# Altium PCB CL-AHU-V1.1.pcbdoc (part 4 of 5)
Units mil, origin at the board's own origin, x right, y up, seen from the top; angles counter-clockwise.
Board outline 12846.15 x 9153.85 mil, 2 copper layers (TopLayer, BottomLayer); 143 components, 181 nets, 607 pads, 3157 vias.
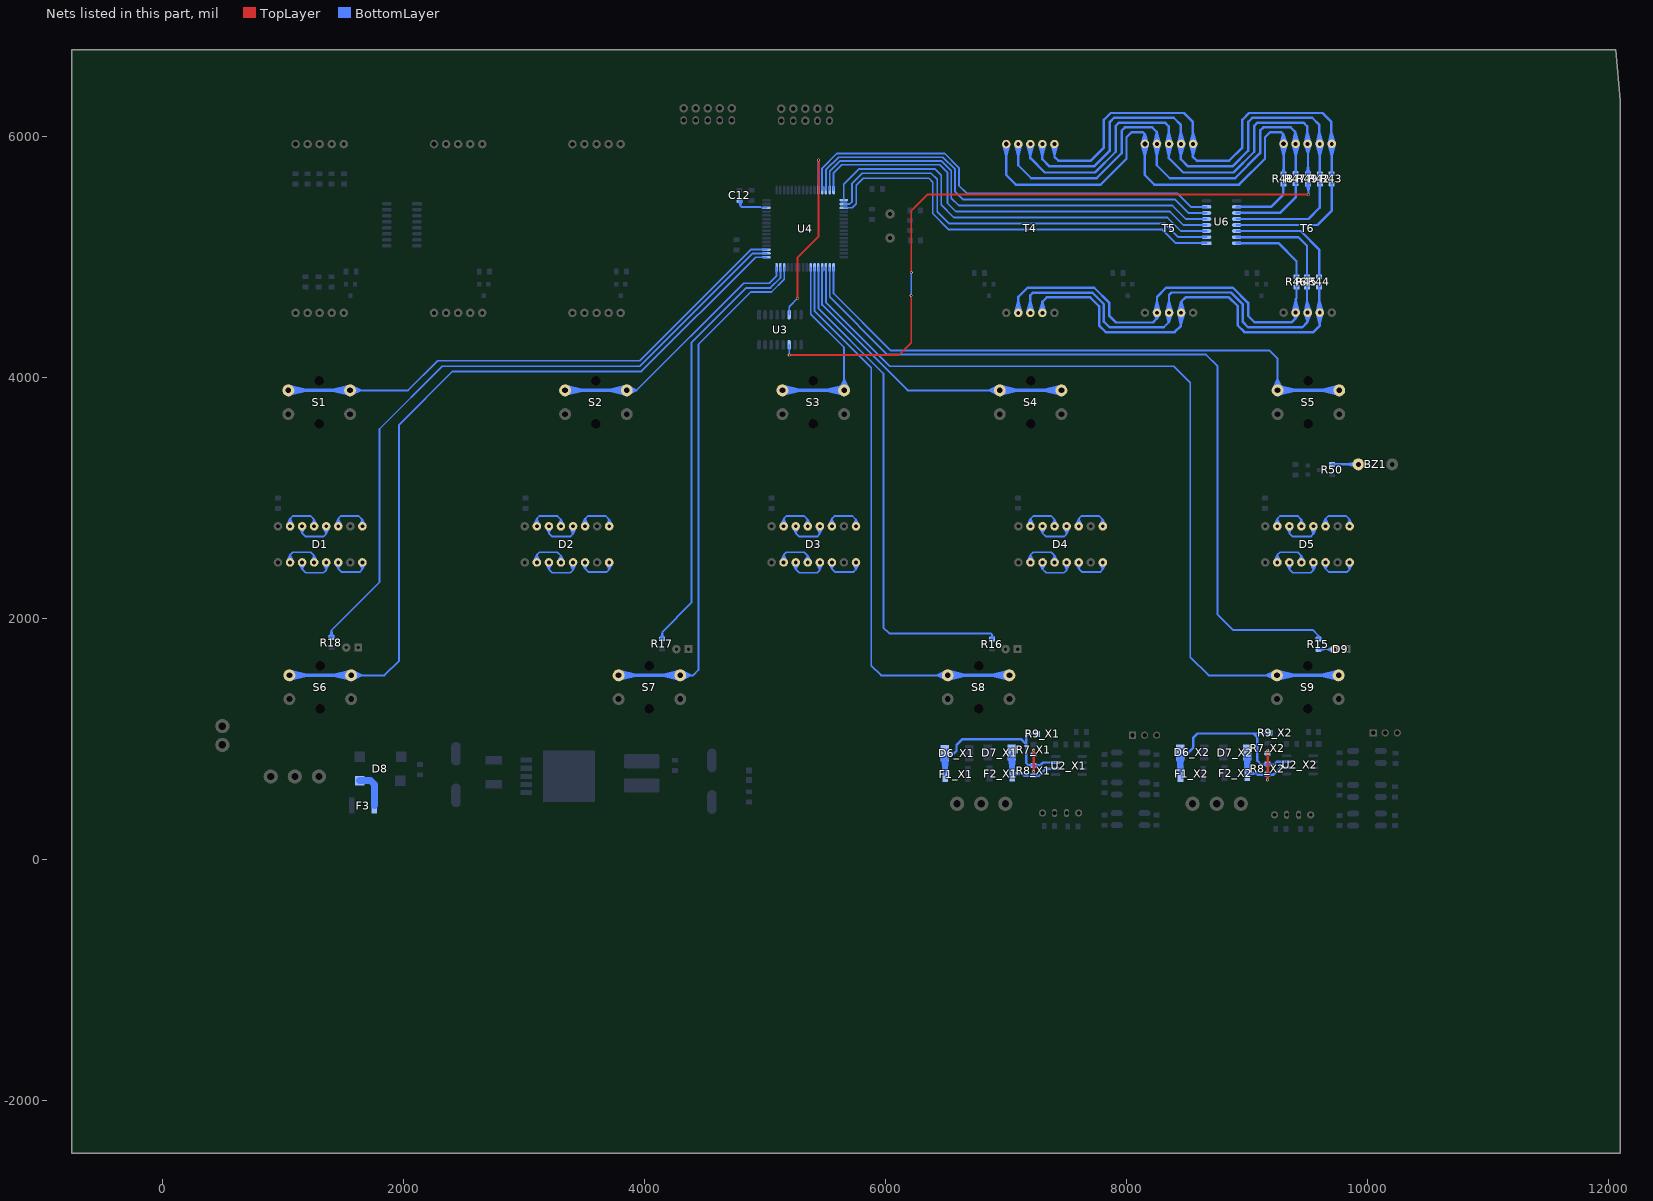
[diagram p4: the nets of this part, all layers, seen from the top]

## Via types
v1: diameter 33/33 (per signal layer), hole 23, TopLayer to BottomLayer, tented both sides, 2996 vias
v2: diameter 25, hole 15, TopLayer to BottomLayer, tented both sides, 138 vias
v3: diameter 24, hole 15, TopLayer to BottomLayer, tented both sides, 16 vias
v4: diameter 35, hole 20, TopLayer to BottomLayer, tented both sides, 3 vias
v5: diameter 30, hole 20, TopLayer to BottomLayer, tented both sides, 2 vias
v6: diameter 35, hole 25, TopLayer to BottomLayer, tented both sides, 2 vias

## Nets (pads, with @x,y where several pads share a name; then routed paths per layer and width w, separated by ;. In a path a pad name is that pad's centre, name@x,y a point inside that pad or via, vN(x,y) a via of type N, cw(c..) or ccw(c..) an arc to the next point about the centre after c; other vN are vias at no path point) (continued)
HDB1: R42.1 T4.7 T5.7 T6.7 | length 5243.4
  BottomLayer w20: T4.7@7276.05,5932.52 7301.26,5840.47 ; T4.7@7326.47,5932.52 7301.26,5840.47 ; T5.7@8426.31,5933.73 8449.69,5841.15 ; T5.7@8426.31,5939.5 8449.69,6032.08 ; T5.7@8476.71,5932.73 8449.69,5841.15 ; T5.7@8476.71,5940.5 8449.69,6032.08 ; T6.7@9576.19,5939.97 9598.11,6033.01 ; T6.7@9576.29,5934.09 9601.5,5842.05 T6.7@9626.7,5934.09 ; T6.7@9598.11,5935.91 9598.11,6094.8 9539.28,6153.62 9043.42,6153.62 9008.9,6119.1 9008.9,5881.12 8877.9,5750.12 8508.87,5750.12 8449.69,5809.31 8449.69,6094.8 8390.86,6153.62 7894.99,6153.62 7860.48,6119.1 7860.48,5881.12 7729.48,5750.12 7360.45,5750.12 7301.26,5809.31 T4.7@7301.26,5935.91 7301.26,5840.47 ; R42.1@9601.5,5689.6 T6.7@9601.5,5937.48 9598.11,6033.01 ; 9601.5,5769.12 R42.1@9601.98,5689.12 ; T6.7@9626.57,5941.75 9598.11,6033.01 ; 8449.69,5841.15 T5.7@8451.57,5936.61 8449.69,6032.08
HDB2: R43.1 T4.6 T5.6 T6.6 | length 5129.3
  BottomLayer w20: T4.6@7376.05,5932.52 7401.26,5840.47 T4.6@7426.47,5932.52 ; T4.6@7401.26,5935.91 7401.26,5829.52 7432.59,5798.19 7703.02,5798.19 7811.2,5906.36 7811.2,6137.13 7867.69,6193.62 8474.64,6193.62 8549.69,6118.58 8549.69,5829.52 8581.02,5798.19 8851.45,5798.19 8959.62,5906.36 8959.62,6137.13 9016.11,6193.62 9623.06,6193.62 9698.11,6118.58 T6.6@9698.11,5935.91 ; T5.6@8526.31,5933.73 8549.69,5841.16 ; T5.6@8526.31,5939.5 8549.69,6032.08 ; T5.6@8576.71,5932.73 8549.69,5841.16 ; T5.6@8576.71,5940.5 8549.69,6032.08 ; T6.6@9676.19,5939.97 9698.11,6033.01 ; T6.6@9676.29,5934.09 9701.5,5842.05 T6.6@9726.7,5934.09 ; R43.1@9700.51,5689.64 9701.5,5769.66 ; R43.1@9701.5,5690.63 T6.6@9701.5,5937.48 9698.11,6033.01 ; T6.6@9726.57,5941.75 9698.11,6033.01 ; 8549.69,5841.16 T5.6@8551.57,5936.61 8549.69,6032.08
HDB3: R44.1 T4.4 T5.4 T6.4 | length 4635.8
  BottomLayer w20: T4.4@7276.07,4539.45 7301.26,4627.2 ; T4.4@7301.26,4535.91 7301.26,4627.2 ; T4.4@7326.44,4539.45 7301.26,4627.2 ; T5.4@8426.31,4533.73 8449.69,4441.16 ; T5.4@8426.39,4540.16 8451.57,4627.91 ; T5.4@8449.69,4535.91 8449.69,4427.06 8398.26,4375.64 7826.29,4375.64 7771.34,4430.6 7771.34,4590.45 7698.22,4663.58 7337.64,4663.58 7301.26,4627.2 ; T5.4@8476.71,4532.73 8449.69,4441.16 ; T5.4@8476.76,4540.16 8451.57,4627.91 ; T6.4@9576.15,4539.61 9596.79,4633.16 ; T6.4@9576.24,4534.49 9600,4442.03 ; R44.1@9596.79,4750.26 9596.79,4542.18 T6.4@9601.5,4537.48 ; T6.4@9600,4536.61 9600,4427.77 9548.58,4376.35 8976.61,4376.35 8921.65,4431.31 8921.65,4591.16 8848.53,4664.28 8487.95,4664.28 8451.57,4627.91 ; T6.4@9626.51,4542.09 9596.79,4633.16 ; T6.4@9626.65,4533.7 9600,4442.03 ; 8449.69,4441.16 T5.4@8451.57,4536.61 8451.57,4627.91 ; 9596.79,4633.16 T6.4@9601.5,4537.48 ; 9600,4442.03 T6.4@9601.5,4537.48
HDB4: R45.1 T4.3 T5.3 T6.3 | length 4563.2
  BottomLayer w20: T4.3@7176.05,4539.29 7201.26,4631.34 T4.3@7226.47,4539.29 ; T4.3@7201.26,4535.91 7201.26,4682.24 7222.59,4703.58 7714.78,4703.58 7811.34,4607.02 7811.34,4461.85 7857.54,4415.64 8307.25,4415.64 8349.69,4458.07 ; T5.3@8326.37,4540 8351.57,4632.05 T5.3@8376.78,4540 ; T5.3@8326.39,4533.1 8349.69,4458.07 ; T5.3@8349.69,4535.91 8349.69,4458.07 ; T5.3@8376.57,4531.89 8349.69,4458.07 ; T6.3@9476.13,4539.36 9495.83,4633.29 ; T6.3@9476.32,4533.85 9500,4458.78 ; R45.1@9495.83,4750.26 9495.83,4543.15 T6.3@9501.5,4537.48 ; T6.3@9500,4536.61 9500,4458.78 ; T6.3@9526.46,4542.33 9495.83,4633.29 ; T6.3@9526.51,4532.9 9500,4458.78 ; 8349.69,4458.07 T5.3@8351.57,4536.61 8351.57,4682.95 8372.91,4704.28 8865.1,4704.28 8961.65,4607.73 8961.65,4462.56 9007.86,4416.35 9457.57,4416.35 9500,4458.78 ; 9495.83,4633.29 T6.3@9501.5,4537.48 ; 9500,4458.78 T6.3@9501.5,4537.48
HDB5: R46.1 T4.2 T5.2 T6.2 | length 4191.5
  BottomLayer w20: T4.2@7076.05,4539.29 7101.26,4631.34 T4.2@7126.47,4539.29 ; T4.2@7101.26,4535.91 7101.26,4667.58 7177.25,4743.58 7731.35,4743.58 7856.86,4618.07 7856.86,4510.94 7912.16,4455.64 8217.45,4455.64 8249.69,4487.88 ; T5.2@8226.37,4540 8251.57,4632.05 T5.2@8276.78,4540 ; T5.2@8226.78,4530.94 8249.69,4487.88 ; T5.2@8249.69,4535.91 8249.69,4487.88 ; T5.2@8275.85,4529.04 8249.69,4487.88 ; T6.2@9376.29,4540.87 9401.5,4632.91 T6.2@9426.7,4540.87 ; T6.2@9376.75,4531.62 9400,4488.59 ; T6.2@9400,4536.61 9400,4488.59 ; R46.1@9409.12,4750.26 9409.12,4656.26 9401.5,4648.64 T6.2@9401.5,4537.48 9400,4488.59 ; T6.2@9425.84,4530.12 9400,4488.59 ; 8249.69,4487.88 T5.2@8251.57,4536.61 8251.57,4668.29 8327.57,4744.28 8881.67,4744.28 9007.18,4618.78 9007.18,4511.65 9062.47,4456.35 9367.76,4456.35 9400,4488.59
HDB6: R47.1 T4.9 T5.9 T6.9 | length 5098.9
  BottomLayer w20: T4.9@7076.05,5932.52 7101.26,5840.47 T4.9@7126.47,5932.52 ; T4.9@7101.26,5935.91 7101.26,5760.53 7209.04,5652.75 7751.09,5652.75 7959.03,5860.69 7959.03,6046.99 7985.67,6073.62 8212.45,6073.62 8249.69,6036.38 8249.69,5760.53 8357.47,5652.75 8899.52,5652.75 9107.46,5860.69 9107.46,6046.99 9134.09,6073.62 9360.87,6073.62 9398.11,6036.38 T6.9@9398.11,5935.91 ; T5.9@8226.31,5933.73 8249.69,5841.15 ; T5.9@8226.31,5939.5 8249.69,6032.07 ; T5.9@8276.71,5932.73 8249.69,5841.15 ; T5.9@8276.71,5940.5 8249.69,6032.07 ; T6.9@9376.19,5939.97 9398.11,6032.98 ; T6.9@9376.29,5934.09 9401.5,5842.05 T6.9@9426.7,5934.09 ; R47.1@9401,5690.89 9401.5,5770.89 ; R47.1@9401.5,5695.44 T6.9@9401.5,5937.48 9398.11,6032.98 ; T6.9@9426.57,5941.76 9398.11,6032.98 ; 8249.69,5841.15 T5.9@8251.57,5936.61 8249.69,6032.07
HDB7: R48.1 T4.10 T5.10 T6.10 | length 5105.8
  BottomLayer w20: T4.10@6976.05,5932.52 7001.26,5840.47 T4.10@7026.47,5932.52 ; T4.10@7001.26,5935.91 7001.26,5679.04 7080.43,5599.87 7784.75,5599.87 7999.03,5814.15 7999.03,5992.04 8040.62,6033.62 8134.51,6033.62 8149.69,6018.45 ; T5.10@8126.31,5933.73 8149.69,5841.14 ; T5.10@8126.37,5939.98 8149.69,6018.45 ; T5.10@8176.6,5941.14 8149.69,6018.45 ; T5.10@8176.71,5932.73 8149.69,5841.14 ; T6.10@9276.23,5940.42 9298.11,6018.45 ; T6.10@9276.29,5934.09 9301.5,5842.05 T6.10@9326.7,5934.09 ; T6.10@9298.11,5935.91 9298.11,6018.45 ; R48.1@9300.39,5689.12 9301.5,5769.14 ; R48.1@9301.5,5690.22 T6.10@9301.5,5937.48 9298.11,6018.45 ; T6.10@9326.43,5942.52 9298.11,6018.45 ; 8149.69,5841.14 T5.10@8151.57,5936.61 8149.69,6018.45 ; 8149.69,6018.45 8149.69,5679.04 8228.85,5599.87 8933.18,5599.87 9147.46,5814.15 9147.46,5992.04 9189.04,6033.62 9282.94,6033.62 9298.11,6018.45
HDB8: R49.1 T4.8 T5.8 T6.8 | length 5371.8
  BottomLayer w15: T6.8@9474.12,5931.92 9503.61,5857 ; T6.8@9488.64,5936.1 9503.61,5857 ; R49.1@9491.16,5690.32 9503.61,5754.12 R49.1@9516.05,5690.32 ; T6.8@9501.5,5937.48 9503.61,5857 ; R49.1@9503.61,5689.12 T6.8@9503.61,5935.37 ; T6.8@9514.41,5936.78 9503.61,5857 ; T6.8@9529.12,5933.36 9503.61,5857
  BottomLayer w20: T4.8@7176.05,5932.52 7201.26,5840.47 T4.8@7226.47,5932.52 ; T4.8@7201.26,5935.91 7201.26,5819.19 7320.81,5699.63 7737.88,5699.63 7909.75,5871.51 7909.75,6086.65 7936.73,6113.62 8317.88,6113.62 8349.69,6081.82 8349.69,5819.19 8469.24,5699.63 8886.3,5699.63 9058.18,5871.51 9058.18,6086.65 9085.15,6113.62 9466.3,6113.62 9498.11,6081.82 T6.8@9498.11,5935.91 ; T5.8@8326.31,5933.73 8349.69,5841.16 ; T5.8@8326.31,5939.5 8349.69,6032.08 ; T5.8@8376.71,5932.73 8349.69,5841.16 ; T5.8@8376.71,5940.5 8349.69,6032.08 ; T6.8@9476.19,5939.97 9498.11,6033 ; T6.8@9501.5,5937.48 9498.11,6033 ; T6.8@9526.57,5941.75 9498.11,6033 ; 8349.69,5841.16 T5.8@8351.57,5936.61 8349.69,6032.08
HDP_B1: R42.2 U6.12 | length 999
  BottomLayer w20: U6.12@8912.23,5314.33 9507.27,5314.33 9601.98,5409.04 R42.2@9601.98,5604.12 ; U6.12@8937.23,5314.33 9012.23,5314.33
HDP_B2: R43.2 U6.13 | length 1134.7
  BottomLayer w20: U6.13@8912.23,5264.33 9582.9,5264.33 9700.51,5381.94 R43.2@9700.51,5604.64 ; U6.13@8937.23,5264.33 9012.23,5264.33
HDP_B3: R44.2 U6.14 | length 1049
  BottomLayer w20: U6.14@8912.23,5214.33 9443.86,5214.33 9596.79,5061.4 R44.2@9596.79,4835.26 ; U6.14@8937.23,5214.33 9012.23,5214.33
HDP_B4: R45.2 U6.15 | length 945.1
  BottomLayer w20: U6.15@8912.23,5164.33 9423.15,5164.33 9495.83,5091.66 R45.2@9495.83,4835.26 ; U6.15@8937.23,5164.33 9012.23,5164.33
HDP_B5: R46.2 U6.16 | length 762.4
  BottomLayer w20: U6.16@8912.23,5114.34 9258.03,5114.34 9409.12,4963.24 R46.2@9409.12,4835.26 ; U6.16@8937.23,5114.34 9012.23,5114.34
HDP_B6: R47.2 U6.11 | length 729.4
  BottomLayer w20: U6.11@8912.23,5364.34 9271.42,5364.34 9401,5493.91 R47.2@9401,5605.89 ; U6.11@8937.23,5364.34 9012.23,5364.34
HDP_B7: R48.2 U6.10 | length 673.3
  BottomLayer w20: U6.10@8912.23,5414.33 9198.52,5414.33 9300.39,5516.2 R48.2@9300.39,5604.12 9300.39,5524.12 ; U6.10@8937.23,5414.33 9012.23,5414.33
HDS2003_INT1: U4.19 U6.1 | length 3634.1
  BottomLayer w15: U4.19@5653.3,5406.82 5722.46,5406.82 5757.57,5441.94 5757.57,5593.38 5815.87,5651.68 6360.36,5651.68 6392.19,5619.84 6392.19,5359.63 6525.51,5226.3 8296.37,5226.3 8408.33,5114.34 U6.1@8662.23,5114.34 ; 8577.23,5114.34 U6.1@8637.23,5114.34
HDS2003_INT2: U4.18 U6.2 | length 3639
  BottomLayer w15: U4.18@5653.3,5438.32 5702.27,5438.32 5722.73,5458.77 5722.73,5610.22 5806.26,5693.75 6377.17,5693.75 6428.26,5642.67 6428.26,5375.84 6527.8,5276.3 8317.08,5276.3 8429.05,5164.33 U6.2@8662.23,5164.33 ; 8577.23,5164.33 U6.2@8637.23,5164.33
HDS2003_INT3: U4.17 U6.3 | length 3610.8
  BottomLayer w15: U4.17@5653.3,5469.82 5653.3,5602.14 5780.36,5729.2 6409.03,5729.2 6461.3,5676.93 6461.3,5431.74 6566.74,5326.3 8337.79,5326.3 8449.76,5214.33 U6.3@8662.23,5214.33 ; 8577.23,5214.33 U6.3@8637.23,5214.33
HDS2003_INT4: U4.16 U6.4 | length 3679.1
  BottomLayer w15: U4.16@5568.65,5554.46 5568.65,5696.32 5636.4,5764.06 6449.89,5764.06 6513.59,5700.36 6513.59,5446.76 6584.05,5376.3 8358.5,5376.3 8470.47,5264.33 U6.4@8662.23,5264.33 ; 8577.23,5264.33 U6.4@8637.23,5264.33
HDS2003_INT5: U4.15 U6.5 | length 3707.1
  BottomLayer w15: U4.15@5537.16,5554.46 5537.16,5709.36 5623.36,5795.56 6462.94,5795.56 6545.09,5713.41 6545.09,5487.98 6606.76,5426.3 8379.21,5426.3 8491.18,5314.33 U6.5@8662.23,5314.33 ; 8577.23,5314.33 U6.5@8637.23,5314.33
HDS2003_INT6: U4.14 U6.6 | length 3728.4
  BottomLayer w15: U4.14@5505.66,5554.46 5505.66,5722.41 5610.31,5827.06 6475.98,5827.06 6576.58,5726.46 6576.58,5540.61 6640.9,5476.3 8399.92,5476.3 8511.89,5364.34 U6.6@8662.23,5364.34 ; 8577.23,5364.34 U6.6@8637.23,5364.34
HDS2003_INT7: U4.13 U6.7 | length 3750.3
  BottomLayer w15: U4.13@5474.17,5554.46 5474.17,5735.46 5597.26,5858.55 6489.03,5858.55 6608.08,5739.5 6608.08,5592.19 6673.97,5526.3 8420.63,5526.3 8532.6,5414.33 U6.7@8662.23,5414.33 ; 8577.23,5414.33 U6.7@8637.23,5414.33
HDS2003_INT8: U3.6 U4.12 | length 1633.6
  TopLayer w15: v2(5270.56,4654.71) 5270.55,4995.13 5442.68,5167.25 v2(5442.68,5803.82)
  BottomLayer w15: U3.6@5200.55,4520.7 5200.55,4586.2 5269.05,4654.7 v2(5270.56,4654.71) ; U4.12@5442.67,5554.46 v2(5442.68,5803.82)
HDS2003_OUT8: R49.2 U3.11 | length 6218.3
  TopLayer w15: v2(5200.56,4186.71) 6112.56,4186.71 6212.55,4286.7 v2(6212.55,4680.13) ; v2(6213.7,4869.53) 6213.69,5383.84 6346.55,5516.7 v2@9510.55,5516.7 ; v2(6213.7,4869.53) 6213.69,4927.03 ; 9451.06,5516.7 v2(9508.56,5516.71)
  BottomLayer w15: U3.11@5200.55,4245.7 v2(5200.56,4186.71) ; U3.11@5200.55,4270.7 v2(5200.56,4186.71) ; v2(6212.55,4680.13) v2@6212.55,4868.38 ; 6212.55,4811.98 v2(6213.7,4869.53) ; R49.2@9491.29,5601.99 9508.56,5538.64 ; v2(9508.56,5516.71) 9508.56,5599.16 R49.2@9503.61,5604.12 9508.56,5538.64 ; R49.2@9516.1,5603.87 9508.56,5538.64 ; v2(5200.56,4186.71) 5200.55,4244.21 v2(5200.56,4186.71)
KEY1: S5.2 U4.33 | length 6159.7
  BottomLayer w15: U4.33@5568.65,4912.73 5568.65,4696.07 6040.75,4223.97 9183.05,4223.97 9251.81,4155.21 S5.2@9251.81,3892.52 ; S5.2@9211.13,3901.75 9251.81,3986.73 ; S5.2@9225.37,3896.31 9251.81,3986.73 ; S5.2@9240.12,3893.25 9251.81,3986.73 ; S5.2@9263.5,3893.25 9251.81,3986.73 ; S5.2@9278.25,3896.31 9251.81,3986.73 ; S5.2@9292.49,3901.75 9251.81,3986.73
  BottomLayer w30: S5.2@9251.81,3892.52 S5.2@9763.62,3892.52 9624.41,3892.52 ; S5.2@9256.01,3858.57 9391.02,3892.52 S5.2@9256.01,3926.47 ; S5.2@9759.42,3858.57 9624.41,3892.52 ; S5.2@9759.42,3926.47 9624.41,3892.52
KEY2: S1.2 U4.51 | length 5710
  BottomLayer w15: S1.2@1558.5,3892.52 2038.66,3892.52 2285.21,4139.06 3961.31,4139.06 4882.61,5060.37 U4.51@5011.57,5060.37 ; S1.2@1559.23,3880.83 1652.72,3892.52 ; S1.2@1559.23,3904.21 1652.72,3892.52 ; S1.2@1562.29,3866.08 1652.72,3892.52 ; S1.2@1562.29,3918.96 1652.72,3892.52 ; S1.2@1567.74,3851.84 1652.72,3892.52 ; S1.2@1567.74,3933.2 1652.72,3892.52
  BottomLayer w30: S1.2@1046.69,3892.52 S1.2@1558.5,3892.52 1419.29,3892.52 ; S1.2@1050.9,3858.57 1185.91,3892.52 S1.2@1050.9,3926.47 ; S1.2@1554.3,3858.57 1419.29,3892.52 ; S1.2@1554.3,3926.47 1419.29,3892.52
KEY3: S2.2 U4.48 | length 3396.4
  BottomLayer w15: S2.2@3853.78,3892.52 3934.11,3892.52 ; S2.2@3854.63,3880.84 3934.11,3892.52 ; S2.2@3854.63,3904.2 3934.11,3892.52 ; S2.2@3858.22,3866.18 3934.11,3892.52 ; S2.2@3858.22,3918.86 3934.11,3892.52 ; S2.2@3864.61,3852.24 3934.11,3892.52 ; S2.2@3864.61,3932.8 3934.11,3892.52 ; U4.48@5096.21,4912.73 5096.21,4841.88 5035.83,4781.49 4823.09,4781.49 3934.11,3892.52
  BottomLayer w30: S2.2@3341.97,3892.52 S2.2@3853.78,3892.52 3714.57,3892.52 ; S2.2@3346.17,3858.57 3481.18,3892.52 S2.2@3346.17,3926.47 ; S2.2@3849.58,3858.57 3714.57,3892.52 ; S2.2@3849.58,3926.47 3714.57,3892.52
KEY4: S6.2 U4.49 | length 7800.5
  BottomLayer w15: S6.2@1567.17,1528.74 1843.17,1528.74 1965.51,1651.08 1965.51,3607.81 2407.82,4050.12 3975.13,4050.12 4922.38,4997.38 U4.49@5011.57,4997.38 ; S6.2@1567.89,1517.05 1661.38,1528.74 ; S6.2@1567.89,1540.43 1661.38,1528.74 ; S6.2@1570.95,1502.3 1661.38,1528.74 ; S6.2@1570.95,1555.18 1661.38,1528.74 ; S6.2@1576.4,1488.06 1661.38,1528.74 ; S6.2@1576.4,1569.42 1661.38,1528.74
  BottomLayer w30: S6.2@1055.35,1528.74 S6.2@1567.17,1528.74 1427.95,1528.74 ; S6.2@1059.56,1494.79 1194.57,1528.74 S6.2@1059.56,1562.69 ; S6.2@1562.96,1494.79 1427.95,1528.74 ; S6.2@1562.96,1562.69 1427.95,1528.74
KEY5: S7.2 U4.46 | length 5676.1
  BottomLayer w15: S7.2@4297.48,1528.74 4403.48,1528.74 4448.61,1573.88 4448.61,4273.76 4883.63,4708.78 5054.21,4708.78 5159.2,4813.77 U4.46@5159.2,4912.73 ; S7.2@4298.21,1517.05 4391.69,1528.74 ; S7.2@4298.21,1540.43 4391.69,1528.74 ; S7.2@4301.27,1502.3 4391.69,1528.74 ; S7.2@4301.27,1555.18 4391.69,1528.74 ; S7.2@4306.71,1488.06 4391.69,1528.74 ; S7.2@4306.71,1569.42 4391.69,1528.74
  BottomLayer w30: S7.2@3785.67,1528.74 S7.2@4297.48,1528.74 4158.27,1528.74 ; S7.2@3789.87,1494.79 3924.88,1528.74 S7.2@3789.87,1562.69 ; S7.2@4293.28,1494.79 4158.27,1528.74 ; S7.2@4293.28,1562.69 4158.27,1528.74
KEY6: S3.2 U4.39 | length 2908
  BottomLayer w15: U4.39@5379.68,4912.73 5379.68,4525.38 5656.54,4248.52 S3.2@5656.54,3892.52 ; S3.2@5615.86,3901.75 5656.54,3986.73 ; S3.2@5630.09,3896.31 5656.54,3986.73 ; S3.2@5644.85,3893.25 5656.54,3986.73 ; S3.2@5668.23,3893.25 5656.54,3986.73 ; S3.2@5682.98,3896.31 5656.54,3986.73 ; S3.2@5697.21,3901.75 5656.54,3986.73
  BottomLayer w30: S3.2@5144.72,3892.52 S3.2@5656.54,3892.52 5517.32,3892.52 ; S3.2@5148.93,3858.57 5283.94,3892.52 S3.2@5148.93,3926.47 ; S3.2@5652.33,3858.57 5517.32,3892.52 ; S3.2@5652.33,3926.47 5517.32,3892.52
KEY7: S8.2 U4.38 | length 5938.8
  BottomLayer w15: U4.38@5411.17,4912.73 5411.17,4549.31 5881.38,4079.11 5881.38,1610.22 5962.86,1528.74 S8.2@6515.98,1528.74 ; S8.2@6506.75,1488.06 6421.77,1528.74 ; S8.2@6506.75,1569.42 6421.77,1528.74 ; S8.2@6512.2,1502.3 6421.77,1528.74 ; S8.2@6512.2,1555.18 6421.77,1528.74 ; S8.2@6515.26,1517.05 6421.77,1528.74 ; S8.2@6515.26,1540.43 6421.77,1528.74
  BottomLayer w30: S8.2@6515.98,1528.74 S8.2@7027.8,1528.74 6888.58,1528.74 ; S8.2@6520.19,1494.79 6655.2,1528.74 S8.2@6520.19,1562.69 ; S8.2@7023.59,1494.79 6888.58,1528.74 ; S8.2@7023.59,1562.69 6888.58,1528.74
KEY8: S9.2 U4.35 | length 8418.7
  BottomLayer w15: U4.35@5505.66,4912.73 5505.66,4622.96 6035.22,4093.39 8391,4093.39 8528.01,3956.37 8528.01,1679.93 8679.2,1528.74 S9.2@9246.3,1528.74 ; S9.2@9237.06,1488.06 9152.09,1528.74 ; S9.2@9237.06,1569.42 9152.09,1528.74 ; S9.2@9242.51,1502.3 9152.09,1528.74 ; S9.2@9242.51,1555.18 9152.09,1528.74 ; S9.2@9245.57,1517.05 9152.09,1528.74 ; S9.2@9245.57,1540.43 9152.09,1528.74
  BottomLayer w30: S9.2@9246.3,1528.74 S9.2@9758.11,1528.74 9618.9,1528.74 ; S9.2@9250.5,1494.79 9385.51,1528.74 S9.2@9250.5,1562.69 ; S9.2@9753.91,1494.79 9618.9,1528.74 ; S9.2@9753.91,1562.69 9618.9,1528.74
KEY9: S4.2 U4.36 | length 3851.4
  BottomLayer w15: U4.36@5474.17,4912.73 5474.17,4601.4 6183.05,3892.52 S4.2@6947.48,3892.52 ; S4.2@6938.25,3851.84 6853.27,3892.52 ; S4.2@6938.25,3933.2 6853.27,3892.52 ; S4.2@6943.69,3866.08 6853.27,3892.52 ; S4.2@6943.69,3918.96 6853.27,3892.52 ; S4.2@6946.75,3880.83 6853.27,3892.52 ; S4.2@6946.75,3904.21 6853.27,3892.52
  BottomLayer w30: S4.2@6947.48,3892.52 S4.2@7459.29,3892.52 7320.08,3892.52 ; S4.2@6951.68,3858.57 7086.69,3892.52 S4.2@6951.68,3926.47 ; S4.2@7455.09,3858.57 7320.08,3892.52 ; S4.2@7455.09,3926.47 7320.08,3892.52
LED1: R15.1 U4.34 | length 6756.3
  BottomLayer w15: U4.34@5537.16,4912.73 5537.16,4667.5 6015.12,4189.54 8657.82,4189.54 8753.98,4093.39 8753.98,2032.09 8880.18,1905.89 9543.05,1905.89 9591.26,1857.68 ; R15.1@9579.07,1831.87 9591.26,1857.68 ; R15.1@9591.26,1829.13 9591.26,1857.68 ; R15.1@9603.46,1831.87 9591.26,1857.68
LED2: R16.1 U4.37 | length 4241.9
  BottomLayer w15: U4.37@5442.67,4912.73 5442.67,4572.4 5982.34,4032.73 5982.34,1925.1 6030.39,1877.06 6872.91,1877.06 6884.3,1865.67 ; R16.1@6872.01,1833.2 6884.3,1865.67 ; R16.1@6884.3,1830.95 6884.3,1865.67 ; R16.1@6896.6,1833.2 6884.3,1865.67
LED3: R17.1 U4.47 | length 3716.4
  BottomLayer w15: R17.1@4134.88,1833.26 4147.3,1887.97 ; R17.1@4147.3,1831.86 4147.3,1887.97 ; R17.1@4159.72,1833.26 4147.3,1887.97 ; U4.47@5127.71,4912.73 5127.71,4824.7 5045.44,4742.43 4845.32,4742.43 4389.87,4286.97 4389.87,2130.53 4147.3,1887.97
LED4: R18.1 U4.50 | length 5880.9
  BottomLayer w15: R18.1@1391.95,1844.09 1404.37,1902.52 ; R18.1@1404.38,1842.79 1404.37,1902.52 ; R18.1@1404.37,1847.9 1404.37,1902.52 ; R18.1@1416.81,1844.1 1404.37,1902.52 ; U4.50@5011.57,5028.87 4898.29,5028.87 3962.81,4093.39 2323.67,4093.39 1802.63,3572.35 1802.63,2300.78 1404.37,1902.52
NetBZ1_2: BZ1.2 R50.2 | length 477.1
  BottomLayer w20: R50.2@9704.55,3278.7 BZ1.2@9922.55,3278.7 ; R50.2@9709.55,3278.7 9789.55,3278.7 ; BZ1.2@9920.42,3259.29 9833.03,3278.7 BZ1.2@9920.42,3298.11
NetC12_1: C12.1 U4.62 | length 399
  BottomLayer w15: C12.1@4782.17,5465.46 4796.37,5423.53 ; C12.1@4794.46,5467.76 4796.37,5423.53 ; C12.1@4796.37,5467.59 4796.37,5423.53 ; C12.1@4806.9,5466.53 4796.37,5423.53 ; U4.62@5011.57,5406.82 4971.96,5406.82 4965.6,5413.19 4806.72,5413.19 4796.37,5423.53
NetD1_2: D1.2 D1.4 | length 817.6
  BottomLayer w15: D1.2@1033.23,2471.37 1060.47,2528.37 ; D1.2@1047.61,2466.52 1060.47,2528.37 ; D1.2@1060.47,2465.2 1060.47,2528.37 ; D1.2@1073.34,2466.52 1060.47,2528.37 ; D1.2@1087.71,2471.37 1060.47,2528.37 ; D1.4@1233.42,2472.15 1260.47,2521.27 ; D1.4@1247.63,2466.69 1260.47,2521.27 ; D1.4@1260.47,2465.2 1260.47,2521.27 ; D1.4@1273.32,2466.69 1260.47,2521.27 ; D1.4@1287.53,2472.15 1260.47,2521.27 ; 1060.47,2528.37 1082.7,2550.6 1231.14,2550.6 1260.47,2521.27
NetD1_3: D1.3 D1.5 | length 817.6
  BottomLayer w15: D1.3@1133.42,2458.24 1160.47,2409.12 ; D1.3@1147.63,2463.71 1160.47,2409.12 ; D1.3@1160.47,2465.2 1160.47,2409.12 ; D1.3@1173.32,2463.71 1160.47,2409.12 ; D1.3@1187.53,2458.24 1160.47,2409.12 ; D1.5@1333.23,2459.02 1360.47,2402.02 ; D1.5@1347.61,2463.87 1360.47,2402.02 ; D1.5@1360.47,2465.2 1360.47,2402.02 ; D1.5@1373.34,2463.87 1360.47,2402.02 ; D1.5@1387.71,2459.02 1360.47,2402.02 ; 1160.47,2409.12 1189.8,2379.79 1338.24,2379.79 1360.47,2402.02
NetD1_6: D1.6 D1.8 | length 884.7
  BottomLayer w15: D1.6@1433.58,2457.65 1460.24,2414.34 ; D1.6@1447.64,2463.61 1460.24,2414.34 ; D1.6@1460.24,2470.42 1460.24,2414.34 ; D1.6@1460.47,2465.2 1460.24,2414.34 ; D1.6@1473.29,2463.49 1460.24,2414.34 ; D1.6@1487.3,2457.4 1460.24,2414.34 ; D1.8@1633.34,2458.58 1660.24,2407.24 ; D1.8@1647.61,2463.81 1660.24,2407.24 ; D1.8@1660.24,2470.42 1660.24,2407.24 ; D1.8@1660.47,2465.2 1660.24,2407.24 ; D1.8@1673.32,2463.7 1660.24,2407.24 ; D1.8@1687.55,2458.36 1660.24,2407.24 ; 1460.24,2414.34 1489.57,2385.01 1638.01,2385.01 1660.24,2407.24
NetD1_9: D1.9 D1.11 | length 817.6
  BottomLayer w15: D1.11@1433.23,2771.37 1460.47,2828.37 ; D1.11@1447.61,2766.52 1460.47,2828.37 ; D1.11@1460.47,2765.2 1460.47,2828.37 ; D1.11@1473.34,2766.52 1460.47,2828.37 ; D1.11@1487.71,2771.37 1460.47,2828.37 ; D1.9@1633.42,2772.15 1660.47,2821.27 ; D1.9@1647.63,2766.69 1660.47,2821.27 ; D1.9@1660.47,2765.2 1660.47,2821.27 ; D1.9@1673.32,2766.69 1660.47,2821.27 ; D1.9@1687.53,2772.15 1660.47,2821.27 ; 1460.47,2828.37 1482.7,2850.6 1631.14,2850.6 1660.47,2821.27
NetD1_12: D1.12 D1.14 | length 873.7
  BottomLayer w15: D1.14@1133.42,2758.24 1160.47,2709.12 ; D1.14@1147.63,2763.71 1160.47,2709.12 ; D1.14@1173.32,2763.71 1160.47,2709.12 ; D1.14@1187.53,2758.24 1160.47,2709.12 ; D1.12@1333.23,2759.02 1360.47,2702.02 ; D1.12@1347.61,2763.87 1360.47,2702.02 ; D1.12@1360.47,2765.2 1360.47,2702.02 ; D1.12@1373.34,2763.87 1360.47,2702.02 ; D1.12@1387.71,2759.02 1360.47,2702.02 ; 1160.47,2709.12 D1.14@1160.47,2765.2 1160.47,2709.12 ; 1160.47,2709.12 1189.8,2679.79 1338.24,2679.79 1360.47,2702.02
NetD1_13: D1.13 D1.15 | length 817.6
  BottomLayer w15: D1.15@1033.23,2771.37 1060.47,2828.37 ; D1.15@1047.61,2766.52 1060.47,2828.37 ; D1.15@1060.47,2765.2 1060.47,2828.37 ; D1.15@1073.34,2766.52 1060.47,2828.37 ; D1.15@1087.71,2771.37 1060.47,2828.37 ; D1.13@1233.42,2772.15 1260.47,2821.27 ; D1.13@1247.63,2766.69 1260.47,2821.27 ; D1.13@1260.47,2765.2 1260.47,2821.27 ; D1.13@1273.32,2766.69 1260.47,2821.27 ; D1.13@1287.53,2772.15 1260.47,2821.27 ; 1060.47,2828.37 1082.7,2850.6 1231.14,2850.6 1260.47,2821.27
NetD2_2: D2.2 D2.4 | length 936.9
  BottomLayer w15: D2.2@3080.47,2471.37 3107.72,2528.37 ; D2.2@3094.85,2466.52 3107.72,2528.37 ; D2.2@3120.58,2466.52 3107.72,2528.37 ; D2.2@3134.96,2471.37 3107.72,2528.37 ; D2.4@3280.66,2472.15 3307.72,2521.27 ; D2.4@3294.87,2466.69 3307.72,2521.27 ; D2.4@3320.56,2466.69 3307.72,2521.27 ; D2.4@3334.77,2472.15 3307.72,2521.27 ; 3107.72,2528.37 D2.2@3107.72,2465.2 3107.72,2528.37 ; 3107.72,2528.37 3129.95,2550.6 3278.38,2550.6 3307.72,2521.27 ; 3307.72,2521.27 D2.4@3307.72,2465.2 3307.72,2521.27
NetD2_3: D2.3 D2.5 | length 936.9
  BottomLayer w15: D2.3@3180.66,2458.24 3207.72,2409.12 ; D2.3@3194.87,2463.71 3207.72,2409.12 ; D2.3@3220.56,2463.71 3207.72,2409.12 ; D2.3@3234.77,2458.24 3207.72,2409.12 ; D2.5@3380.47,2459.02 3407.72,2402.02 ; D2.5@3394.85,2463.87 3407.72,2402.02 ; D2.5@3420.58,2463.87 3407.72,2402.02 ; D2.5@3434.96,2459.02 3407.72,2402.02 ; 3207.72,2409.12 D2.3@3207.72,2465.2 3207.72,2409.12 ; 3207.72,2409.12 3237.05,2379.79 3385.49,2379.79 3407.72,2402.02 ; 3407.72,2402.02 D2.5@3407.72,2465.2 3407.72,2402.02
NetD2_6: D2.6 D2.8 | length 884.7
  BottomLayer w15: D2.6@3480.82,2457.65 3507.48,2414.34 ; D2.6@3494.88,2463.61 3507.48,2414.34 ; D2.6@3507.48,2470.42 3507.48,2414.34 ; D2.6@3507.72,2465.2 3507.48,2414.34 ; D2.6@3520.54,2463.49 3507.48,2414.34 ; D2.6@3534.54,2457.4 3507.48,2414.34 ; D2.8@3680.58,2458.58 3707.48,2407.24 ; D2.8@3694.86,2463.81 3707.48,2407.24 ; D2.8@3707.48,2470.42 3707.48,2407.24 ; D2.8@3707.72,2465.2 3707.48,2407.24 ; D2.8@3720.56,2463.7 3707.48,2407.24 ; D2.8@3734.8,2458.36 3707.48,2407.24 ; 3507.48,2414.34 3536.81,2385.01 3685.25,2385.01 3707.48,2407.24
NetD2_9: D2.9 D2.11 | length 817.6
  BottomLayer w15: D2.11@3480.47,2771.37 3507.72,2828.37 ; D2.11@3494.85,2766.52 3507.72,2828.37 ; D2.11@3507.72,2765.2 3507.72,2828.37 ; D2.11@3520.58,2766.52 3507.72,2828.37 ; D2.11@3534.96,2771.37 3507.72,2828.37 ; D2.9@3680.66,2772.15 3707.72,2821.27 ; D2.9@3694.87,2766.69 3707.72,2821.27 ; D2.9@3707.72,2765.2 3707.72,2821.27 ; D2.9@3720.56,2766.69 3707.72,2821.27 ; D2.9@3734.77,2772.15 3707.72,2821.27 ; 3507.72,2828.37 3529.95,2850.6 3678.38,2850.6 3707.72,2821.27
NetD2_12: D2.12 D2.14 | length 873.7
  BottomLayer w15: D2.14@3180.66,2758.24 3207.72,2709.12 ; D2.14@3194.87,2763.71 3207.72,2709.12 ; D2.14@3220.56,2763.71 3207.72,2709.12 ; D2.14@3234.77,2758.24 3207.72,2709.12 ; D2.12@3380.47,2759.02 3407.72,2702.02 ; D2.12@3394.85,2763.87 3407.72,2702.02 ; D2.12@3407.72,2765.2 3407.72,2702.02 ; D2.12@3420.58,2763.87 3407.72,2702.02 ; D2.12@3434.96,2759.02 3407.72,2702.02 ; 3207.72,2709.12 D2.14@3207.72,2765.2 3207.72,2709.12 ; 3207.72,2709.12 3237.05,2679.79 3385.49,2679.79 3407.72,2702.02
NetD2_13: D2.13 D2.15 | length 817.6
  BottomLayer w15: D2.15@3080.47,2771.37 3107.72,2828.37 ; D2.15@3094.85,2766.52 3107.72,2828.37 ; D2.15@3107.72,2765.2 3107.72,2828.37 ; D2.15@3120.58,2766.52 3107.72,2828.37 ; D2.15@3134.96,2771.37 3107.72,2828.37 ; D2.13@3280.66,2772.15 3307.72,2821.27 ; D2.13@3294.87,2766.69 3307.72,2821.27 ; D2.13@3307.72,2765.2 3307.72,2821.27 ; D2.13@3320.56,2766.69 3307.72,2821.27 ; D2.13@3334.77,2772.15 3307.72,2821.27 ; 3107.72,2828.37 3129.95,2850.6 3278.38,2850.6 3307.72,2821.27
NetD3_2: D3.2 D3.4 | length 873.7
  BottomLayer w15: D3.2@5127.72,2471.37 5154.96,2528.37 ; D3.2@5142.1,2466.52 5154.96,2528.37 ; D3.2@5154.96,2465.2 5154.96,2528.37 ; D3.2@5167.83,2466.52 5154.96,2528.37 ; D3.2@5182.2,2471.37 5154.96,2528.37 ; D3.4@5327.91,2472.15 5354.96,2521.27 ; D3.4@5342.11,2466.69 5354.96,2521.27 ; D3.4@5367.81,2466.69 5354.96,2521.27 ; D3.4@5382.01,2472.15 5354.96,2521.27 ; 5154.96,2528.37 5177.19,2550.6 5325.63,2550.6 5354.96,2521.27 ; 5354.96,2521.27 D3.4@5354.96,2465.2 5354.96,2521.27
NetD3_3: D3.3 D3.5 | length 817.6
  BottomLayer w15: D3.3@5227.91,2458.24 5254.96,2409.12 ; D3.3@5242.11,2463.71 5254.96,2409.12 ; D3.3@5254.96,2465.2 5254.96,2409.12 ; D3.3@5267.81,2463.71 5254.96,2409.12 ; D3.3@5282.01,2458.24 5254.96,2409.12 ; D3.5@5427.72,2459.02 5454.96,2402.02 ; D3.5@5442.1,2463.87 5454.96,2402.02 ; D3.5@5454.96,2465.2 5454.96,2402.02 ; D3.5@5467.83,2463.87 5454.96,2402.02 ; D3.5@5482.2,2459.02 5454.96,2402.02 ; 5254.96,2409.12 5284.29,2379.79 5432.73,2379.79 5454.96,2402.02
NetD3_6: D3.6 D3.8 | length 884.7
  BottomLayer w15: D3.6@5528.07,2457.65 5554.73,2414.34 ; D3.6@5542.13,2463.61 5554.73,2414.34 ; D3.6@5554.73,2470.42 5554.73,2414.34 ; D3.6@5554.96,2465.2 5554.73,2414.34 ; D3.6@5567.78,2463.49 5554.73,2414.34 ; D3.6@5581.78,2457.4 5554.73,2414.34 ; D3.8@5727.82,2458.58 5754.73,2407.24 ; D3.8@5742.1,2463.81 5754.73,2407.24 ; D3.8@5754.73,2470.42 5754.73,2407.24 ; D3.8@5754.96,2465.2 5754.73,2407.24 ; D3.8@5767.81,2463.7 5754.73,2407.24 ; D3.8@5782.04,2458.36 5754.73,2407.24 ; 5554.73,2414.34 5584.06,2385.01 5732.5,2385.01 5754.73,2407.24
NetD3_9: D3.9 D3.11 | length 817.6
  BottomLayer w15: D3.11@5527.72,2771.37 5554.96,2828.37 ; D3.11@5542.1,2766.52 5554.96,2828.37 ; D3.11@5554.96,2765.2 5554.96,2828.37 ; D3.11@5567.83,2766.52 5554.96,2828.37 ; D3.11@5582.2,2771.37 5554.96,2828.37 ; D3.9@5727.91,2772.15 5754.96,2821.27 ; D3.9@5742.11,2766.69 5754.96,2821.27 ; D3.9@5754.96,2765.2 5754.96,2821.27 ; D3.9@5767.81,2766.69 5754.96,2821.27 ; D3.9@5782.01,2772.15 5754.96,2821.27 ; 5554.96,2828.37 5577.19,2850.6 5725.63,2850.6 5754.96,2821.27
NetD3_12: D3.12 D3.14 | length 873.7
  BottomLayer w15: D3.14@5227.91,2758.24 5254.96,2709.12 ; D3.14@5242.11,2763.71 5254.96,2709.12 ; D3.14@5267.81,2763.71 5254.96,2709.12 ; D3.14@5282.01,2758.24 5254.96,2709.12 ; D3.12@5427.72,2759.02 5454.96,2702.02 ; D3.12@5442.1,2763.87 5454.96,2702.02 ; D3.12@5454.96,2765.2 5454.96,2702.02 ; D3.12@5467.83,2763.87 5454.96,2702.02 ; D3.12@5482.2,2759.02 5454.96,2702.02 ; 5254.96,2709.12 D3.14@5254.96,2765.2 5254.96,2709.12 ; 5254.96,2709.12 5284.29,2679.79 5432.73,2679.79 5454.96,2702.02
NetD3_13: D3.13 D3.15 | length 873.7
  BottomLayer w15: D3.15@5127.72,2771.37 5154.96,2828.37 ; D3.15@5142.1,2766.52 5154.96,2828.37 ; D3.15@5154.96,2765.2 5154.96,2828.37 ; D3.15@5167.83,2766.52 5154.96,2828.37 ; D3.15@5182.2,2771.37 5154.96,2828.37 ; D3.13@5327.91,2772.15 5354.96,2821.27 ; D3.13@5342.11,2766.69 5354.96,2821.27 ; D3.13@5367.81,2766.69 5354.96,2821.27 ; D3.13@5382.01,2772.15 5354.96,2821.27 ; 5154.96,2828.37 5177.19,2850.6 5325.63,2850.6 5354.96,2821.27 ; 5354.96,2821.27 D3.13@5354.96,2765.2 5354.96,2821.27
NetD4_2: D4.2 D4.4 | length 936.9
  BottomLayer w15: D4.2@7174.96,2471.37 7202.2,2528.37 ; D4.2@7189.34,2466.52 7202.2,2528.37 ; D4.2@7215.07,2466.52 7202.2,2528.37 ; D4.2@7229.45,2471.37 7202.2,2528.37 ; D4.4@7375.15,2472.15 7402.2,2521.27 ; D4.4@7389.36,2466.69 7402.2,2521.27 ; D4.4@7415.05,2466.69 7402.2,2521.27 ; D4.4@7429.26,2472.15 7402.2,2521.27 ; 7202.2,2528.37 D4.2@7202.2,2465.2 7202.2,2528.37 ; 7202.2,2528.37 7224.43,2550.6 7372.87,2550.6 7402.2,2521.27 ; 7402.2,2521.27 D4.4@7402.2,2465.2 7402.2,2521.27
NetD4_3: D4.3 D4.5 | length 873.7
  BottomLayer w15: D4.3@7275.15,2458.24 7302.2,2409.12 ; D4.3@7289.36,2463.71 7302.2,2409.12 ; D4.3@7315.05,2463.71 7302.2,2409.12 ; D4.3@7329.26,2458.24 7302.2,2409.12 ; D4.5@7474.96,2459.02 7502.2,2402.02 ; D4.5@7489.34,2463.87 7502.2,2402.02 ; D4.5@7502.2,2465.2 7502.2,2402.02 ; D4.5@7515.07,2463.87 7502.2,2402.02 ; D4.5@7529.45,2459.02 7502.2,2402.02 ; 7302.2,2409.12 D4.3@7302.2,2465.2 7302.2,2409.12 ; 7302.2,2409.12 7331.54,2379.79 7479.97,2379.79 7502.2,2402.02
NetD4_6: D4.6 D4.8 | length 884.7
  BottomLayer w15: D4.6@7575.31,2457.65 7601.97,2414.34 ; D4.6@7589.37,2463.61 7601.97,2414.34 ; D4.6@7601.97,2470.42 7601.97,2414.34 ; D4.6@7602.2,2465.2 7601.97,2414.34 ; D4.6@7615.02,2463.49 7601.97,2414.34 ; D4.6@7629.03,2457.4 7601.97,2414.34 ; D4.8@7775.07,2458.58 7801.97,2407.24 ; D4.8@7789.35,2463.81 7801.97,2407.24 ; D4.8@7801.97,2470.42 7801.97,2407.24 ; D4.8@7802.2,2465.2 7801.97,2407.24 ; D4.8@7815.05,2463.7 7801.97,2407.24 ; D4.8@7829.29,2458.36 7801.97,2407.24 ; 7601.97,2414.34 7631.3,2385.01 7779.74,2385.01 7801.97,2407.24
NetD4_9: D4.9 D4.11 | length 873.7
  BottomLayer w15: D4.11@7574.96,2771.37 7602.2,2828.37 ; D4.11@7589.34,2766.52 7602.2,2828.37 ; D4.11@7602.2,2765.2 7602.2,2828.37 ; D4.11@7615.07,2766.52 7602.2,2828.37 ; D4.11@7629.45,2771.37 7602.2,2828.37 ; D4.9@7775.15,2772.15 7802.2,2821.27 ; D4.9@7789.36,2766.69 7802.2,2821.27 ; D4.9@7815.05,2766.69 7802.2,2821.27 ; D4.9@7829.26,2772.15 7802.2,2821.27 ; 7602.2,2828.37 7624.43,2850.6 7772.87,2850.6 7802.2,2821.27 ; 7802.2,2821.27 D4.9@7802.2,2765.2 7802.2,2821.27
NetD4_12: D4.12 D4.14 | length 936.9
  BottomLayer w15: D4.14@7275.15,2758.24 7302.2,2709.12 ; D4.14@7289.36,2763.71 7302.2,2709.12 ; D4.14@7315.05,2763.71 7302.2,2709.12 ; D4.14@7329.26,2758.24 7302.2,2709.12 ; D4.12@7474.96,2759.02 7502.2,2702.02 ; D4.12@7489.34,2763.87 7502.2,2702.02 ; D4.12@7515.07,2763.87 7502.2,2702.02 ; D4.12@7529.45,2759.02 7502.2,2702.02 ; 7302.2,2709.12 D4.14@7302.2,2765.2 7302.2,2709.12 ; 7302.2,2709.12 7331.54,2679.79 7479.97,2679.79 7502.2,2702.02 ; 7502.2,2702.02 D4.12@7502.2,2765.2 7502.2,2702.02
NetD4_13: D4.13 D4.15 | length 936.9
  BottomLayer w15: D4.15@7174.96,2771.37 7202.2,2828.37 ; D4.15@7189.34,2766.52 7202.2,2828.37 ; D4.15@7215.07,2766.52 7202.2,2828.37 ; D4.15@7229.45,2771.37 7202.2,2828.37 ; D4.13@7375.15,2772.15 7402.2,2821.27 ; D4.13@7389.36,2766.69 7402.2,2821.27 ; D4.13@7415.05,2766.69 7402.2,2821.27 ; D4.13@7429.26,2772.15 7402.2,2821.27 ; 7202.2,2828.37 D4.15@7202.2,2765.2 7202.2,2828.37 ; 7202.2,2828.37 7224.43,2850.6 7372.87,2850.6 7402.2,2821.27 ; 7402.2,2821.27 D4.13@7402.2,2765.2 7402.2,2821.27
NetD5_2: D5.2 D5.4 | length 936.9
  BottomLayer w15: D5.2@9222.21,2471.37 9249.45,2528.37 ; D5.2@9236.58,2466.52 9249.45,2528.37 ; D5.2@9262.31,2466.52 9249.45,2528.37 ; D5.2@9276.69,2471.37 9249.45,2528.37 ; D5.4@9422.4,2472.15 9449.45,2521.27 ; D5.4@9436.6,2466.69 9449.45,2521.27 ; D5.4@9462.3,2466.69 9449.45,2521.27 ; D5.4@9476.5,2472.15 9449.45,2521.27 ; 9249.45,2528.37 D5.2@9249.45,2465.2 9249.45,2528.37 ; 9249.45,2528.37 9271.68,2550.6 9420.12,2550.6 9449.45,2521.27 ; 9449.45,2521.27 D5.4@9449.45,2465.2 9449.45,2521.27
NetD5_3: D5.3 D5.5 | length 936.9
  BottomLayer w15: D5.3@9322.4,2458.24 9349.45,2409.12 ; D5.3@9336.6,2463.71 9349.45,2409.12 ; D5.3@9362.3,2463.71 9349.45,2409.12 ; D5.3@9376.5,2458.24 9349.45,2409.12 ; D5.5@9522.21,2459.02 9549.45,2402.02 ; D5.5@9536.58,2463.87 9549.45,2402.02 ; D5.5@9562.31,2463.87 9549.45,2402.02 ; D5.5@9576.69,2459.02 9549.45,2402.02 ; 9349.45,2409.12 D5.3@9349.45,2465.2 9349.45,2409.12 ; 9349.45,2409.12 9378.78,2379.79 9527.22,2379.79 9549.45,2402.02 ; 9549.45,2402.02 D5.5@9549.45,2465.2 9549.45,2402.02
NetD5_6: D5.6 D5.8 | length 884.7
  BottomLayer w15: D5.6@9622.55,2457.65 9649.21,2414.34 ; D5.6@9636.61,2463.61 9649.21,2414.34 ; D5.6@9649.21,2470.42 9649.21,2414.34 ; D5.6@9649.45,2465.2 9649.21,2414.34 ; D5.6@9662.27,2463.49 9649.21,2414.34 ; D5.6@9676.27,2457.4 9649.21,2414.34 ; D5.8@9822.31,2458.58 9849.21,2407.24 ; D5.8@9836.59,2463.81 9849.21,2407.24 ; D5.8@9849.21,2470.42 9849.21,2407.24 ; D5.8@9849.45,2465.2 9849.21,2407.24 ; D5.8@9862.3,2463.7 9849.21,2407.24 ; D5.8@9876.53,2458.36 9849.21,2407.24 ; 9649.21,2414.34 9678.55,2385.01 9826.98,2385.01 9849.21,2407.24
NetD5_9: D5.9 D5.11 | length 817.6
  BottomLayer w15: D5.11@9622.21,2771.37 9649.45,2828.37 ; D5.11@9636.58,2766.52 9649.45,2828.37 ; D5.11@9649.45,2765.2 9649.45,2828.37 ; D5.11@9662.31,2766.52 9649.45,2828.37 ; D5.11@9676.69,2771.37 9649.45,2828.37 ; D5.9@9822.4,2772.15 9849.45,2821.27 ; D5.9@9836.6,2766.69 9849.45,2821.27 ; D5.9@9849.45,2765.2 9849.45,2821.27 ; D5.9@9862.3,2766.69 9849.45,2821.27 ; D5.9@9876.5,2772.15 9849.45,2821.27 ; 9649.45,2828.37 9671.68,2850.6 9820.12,2850.6 9849.45,2821.27
NetD5_12: D5.12 D5.14 | length 873.7
  BottomLayer w15: D5.14@9322.4,2758.24 9349.45,2709.12 ; D5.14@9336.6,2763.71 9349.45,2709.12 ; D5.14@9362.3,2763.71 9349.45,2709.12 ; D5.14@9376.5,2758.24 9349.45,2709.12 ; D5.12@9522.21,2759.02 9549.45,2702.02 ; D5.12@9536.58,2763.87 9549.45,2702.02 ; D5.12@9549.45,2765.2 9549.45,2702.02 ; D5.12@9562.31,2763.87 9549.45,2702.02 ; D5.12@9576.69,2759.02 9549.45,2702.02 ; 9349.45,2709.12 D5.14@9349.45,2765.2 9349.45,2709.12 ; 9349.45,2709.12 9378.78,2679.79 9527.22,2679.79 9549.45,2702.02
NetD5_13: D5.13 D5.15 | length 817.6
  BottomLayer w15: D5.15@9222.21,2771.37 9249.45,2828.37 ; D5.15@9236.58,2766.52 9249.45,2828.37 ; D5.15@9249.45,2765.2 9249.45,2828.37 ; D5.15@9262.31,2766.52 9249.45,2828.37 ; D5.15@9276.69,2771.37 9249.45,2828.37 ; D5.13@9422.4,2772.15 9449.45,2821.27 ; D5.13@9436.6,2766.69 9449.45,2821.27 ; D5.13@9449.45,2765.2 9449.45,2821.27 ; D5.13@9462.3,2766.69 9449.45,2821.27 ; D5.13@9476.5,2772.15 9449.45,2821.27 ; 9249.45,2828.37 9271.68,2850.6 9420.12,2850.6 9449.45,2821.27
NetD6_X1_K: D6_X1.K F1_X1.2 R8_X1.1 R9_X1.2 U2_X1.7 | length 3302.2
  BottomLayer w20: D6_X1.K@6467.55,850.99 F1_X1.2@6480.81,756.1 ; D6_X1.K@6467.76,847.9 F1_X1.2@6492.55,756.19 ; D6_X1.K@6467.82,847.52 F1_X1.2@6494.01,756.18 ; D6_X1.K@6468.55,844.18 F1_X1.2@6507.29,756.07 ; F1_X1.2@6480.47,753.79 D6_X1.K@6492.55,836.55 ; F1_X1.2@6492.55,711.14 D6_X1.K@6492.55,883.11 6568.77,883.11 ; F1_X1.2@6494.07,752.93 D6_X1.K@6492.55,836.55 ; D6_X1.K@6496.65,858.45 6568.77,883.11 ; D6_X1.K@6496.65,907.78 6568.77,883.11 ; F1_X1.2@6507.62,754.28 D6_X1.K@6492.55,836.55 ; D6_X1.K@6516.75,844.91 F1_X1.2@6480.81,756.1 ; D6_X1.K@6517.33,847.9 F1_X1.2@6492.55,756.19 ; D6_X1.K@6517.38,848.28 F1_X1.2@6494.01,756.18 ; D6_X1.K@6517.54,851.78 F1_X1.2@6507.29,756.07 ; R8_X1.1@7222.75,781.66 7188.06,781.66 ; R8_X1.1@7232.75,781.66 7281.04,781.66 ; 7310.52,805.8 U2_X1.7@7382.52,805.8 ; U2_X1.7@7410.52,805.8 7305.18,805.8 7281.04,781.66 ; F1_X1.2@6480.81,756.1 D6_X1.K@6492.55,851.19 ; F1_X1.2@6492.55,756.19 D6_X1.K@6492.55,851.19 ; D6_X1.K@6492.55,851.19 F1_X1.2@6494.01,756.18 ; D6_X1.K@6492.55,851.19 F1_X1.2@6507.29,756.07 ; 6568.77,883.11 6588.33,902.67 6588.33,950.13 6637.74,999.54 7123.68,999.54 7166.39,956.83 ; 7166.39,956.83 7166.39,1020.91 7187.94,1042.46 ; 7166.39,956.83 7166.39,803.33 7188.06,781.66 ; 7187.94,1042.46 R9_X1.2@7261.41,1042.46 7187.94,1042.46 ; 7188.06,781.66 R8_X1.1@7227.75,781.66 7281.04,781.66
NetD6_X2_K: D6_X2.K F1_X2.2 R8_X2.1 R9_X2.2 U2_X2.7 | length 3305.5
  BottomLayer w20: D6_X2.K@8420.01,856.79 F1_X2.2@8433.29,761.45 ; D6_X2.K@8420.91,850.33 F1_X2.2@8458.37,761.78 ; F1_X2.2@8432.28,755.31 D6_X2.K@8445.86,837.82 ; D6_X2.K@8445.01,888.92 8513.74,888.92 ; F1_X2.2@8445.86,710.89 D6_X2.K@8445.86,882.87 ; F1_X2.2@8445.86,754.2 D6_X2.K@8445.86,837.82 ; D6_X2.K@8449.56,864.34 8513.74,888.92 ; D6_X2.K@8449.56,913.51 8513.74,888.92 ; F1_X2.2@8459.44,755.31 D6_X2.K@8445.86,837.82 ; D6_X2.K@8469.22,850.75 F1_X2.2@8433.29,761.45 ; D6_X2.K@8470.01,857.22 F1_X2.2@8458.37,761.78 ; 9109.06,1046.45 R9_X2.2@9189.83,1052.02 9184.25,1046.45 9050.45,1046.45 ; R8_X2.1@9163.56,794.85 9115.95,787.87 ; R8_X2.1@9173.56,794.85 9220.49,787.87 ; U2_X2.7@9298.52,812.18 9244.8,812.18 ; U2_X2.7@9326.52,812.18 9244.8,812.18 ; F1_X2.2@8433.29,761.45 D6_X2.K@8445.01,856.99 ; D6_X2.K@8445.01,856.99 F1_X2.2@8445.86,761.99 ; D6_X2.K@8445.01,856.99 F1_X2.2@8445.86,761.99 ; D6_X2.K@8445.01,856.99 F1_X2.2@8458.37,761.78 ; F1_X2.2@8445.86,761.99 8420.26,853.48 F1_X2.2@8445.86,761.99 ; F1_X2.2@8445.86,761.99 8469.82,853.93 F1_X2.2@8445.86,761.99 ; 8513.74,888.92 8551.41,926.59 8551.41,1010.21 8587.65,1046.45 9050.45,1046.45 ; 9050.45,1046.45 9083.89,1013.01 9083.89,819.93 9115.95,787.87 ; 9115.95,787.87 9169.62,787.87 9220.49,787.87 ; 9220.49,787.87 9244.8,812.18
NetD7_X1_K: D7_X1.K F2_X1.2 R7_X1.1 R8_X1.2 U2_X1.6 | length 2713.8
  TopLayer w20: v2(7227.76,729.34) v2@7227.76,906.67 ; 7227.76,835.4 v2(7229.06,907.96)
  BottomLayer w20: D7_X1.K@7022.24,855.29 F2_X1.2@7038.77,761.27 ; D7_X1.K@7022.43,853.06 F2_X1.2@7047.22,761.35 ; D7_X1.K@7022.61,851.92 F2_X1.2@7051.66,761.33 ; D7_X1.K@7023.42,848.67 F2_X1.2@7064.83,761.09 ; F2_X1.2@7038.31,756.94 D7_X1.K@7047.22,840.29 ; D7_X1.K@7047.22,888.28 7047.22,718 7128.99,718 ; F2_X1.2@7051.92,713.29 7128.99,718 ; F2_X1.2@7051.92,756.6 D7_X1.K@7047.22,840.29 ; F2_X1.2@7052.3,726.9 7128.99,718 ; F2_X1.2@7053.95,699.82 7128.99,718 ; F2_X1.2@7065.42,758.46 D7_X1.K@7047.22,840.29 ; D7_X1.K@7071.61,850.9 F2_X1.2@7038.77,761.27 ; D7_X1.K@7072,853.06 F2_X1.2@7047.22,761.35 ; D7_X1.K@7072.13,854.23 F2_X1.2@7051.66,761.33 ; D7_X1.K@7072.18,857.69 F2_X1.2@7064.83,761.09 ; R8_X1.2@7222.75,696.66 7150.33,696.66 ; R7_X1.1@7229.05,870.11 v2@7229.05,908.17 ; R8_X1.2@7232.75,696.66 7272.41,696.66 ; U2_X1.6@7382.52,755.8 7331.55,755.8 ; U2_X1.6@7410.52,755.8 7331.55,755.8 ; F2_X1.2@7038.77,761.27 D7_X1.K@7047.22,856.35 ; F2_X1.2@7047.22,761.35 D7_X1.K@7047.22,856.35 ; D7_X1.K@7047.22,856.35 F2_X1.2@7051.66,761.33 ; D7_X1.K@7047.22,856.35 F2_X1.2@7064.83,761.09 ; 7128.99,718 7150.33,696.66 ; 7150.33,696.66 R8_X1.2@7227.75,696.66 ; R8_X1.2@7227.75,696.66 v2(7227.76,729.34) R8_X1.2@7227.75,696.66 ; R8_X1.2@7227.75,696.66 7272.41,696.66 ; 7272.41,696.66 7331.55,755.8
NetD7_X2_K: D7_X2.K F2_X2.2 R7_X2.1 R8_X2.2 U2_X2.6 | length 2809
  TopLayer w20: v2(9169.62,661.03) 9171.01,733.61 ; v2@9171.01,662.42 v2(9171.01,907.06) 9171.01,834.56
  BottomLayer w20: D7_X2.K@8975.75,852.82 F2_X2.2@9000.53,761.11 ; F2_X2.2@8987.14,758.55 D7_X2.K@8977.94,844.69 ; F2_X2.2@8987.7,765.63 D7_X2.K@9023.12,844.69 ; D7_X2.K@9000.53,856.11 F2_X2.2@9000.53,761.11 ; D7_X2.K@9000.53,888.04 F2_X2.2@9000.53,717.75 9075.95,717.75 ; F2_X2.2@9001.76,704.18 9075.95,717.75 ; F2_X2.2@9001.76,731.32 9075.95,717.75 ; F2_X2.2@9013.36,765.63 D7_X2.K@8977.94,844.69 ; F2_X2.2@9013.92,758.55 D7_X2.K@9023.12,844.69 ; D7_X2.K@9025.31,852.82 F2_X2.2@9000.53,761.11 ; R8_X2.2@9163.56,709.85 9090.83,702.87 ; R8_X2.2@9173.56,709.85 9214.26,702.87 ; U2_X2.6@9298.52,762.18 9273.57,762.18 ; U2_X2.6@9326.52,762.18 9273.57,762.18 ; D7_X2.K@8977.94,844.69 F2_X2.2@9000.53,761.06 ; F2_X2.2@9000.53,761.06 D7_X2.K@9000.53,844.68 ; F2_X2.2@9000.53,761.06 D7_X2.K@9000.53,844.68 ; F2_X2.2@9000.53,761.06 D7_X2.K@9023.12,844.69 ; D7_X2.K@9000.53,844.68 9014.11,762.17 D7_X2.K@9000.53,844.68 ; D7_X2.K@9000.53,844.68 8986.95,762.17 D7_X2.K@9000.53,844.68 ; 9075.95,717.75 9090.83,702.87 ; 9090.83,702.87 R8_X2.2@9169.62,702.87 ; R8_X2.2@9169.62,702.87 v2(9169.62,661.03) R8_X2.2@9168.56,709.85 9169.62,665.19 R8_X2.2@9169.62,702.87 ; R8_X2.2@9169.62,702.87 9214.26,702.87 ; v2(9171.01,907.06) R7_X2.1@9169.95,879.92 v2@9171,907.06 ; v2(9171.01,907.06) 9171,872.94 v2@9171,907.06 ; 9214.26,702.87 9273.57,762.18
NetD8_1: D8.1 F3.2 | length 440.8
  BottomLayer w60: D8.1@1637.78,656.1 1727.32,656.1 1760.25,623.17 ; F3.2@1760.25,449.15 1760.25,623.17 ; F3.2@1760.25,492.46 1760.25,623.17
NetD9_2: D9.2 R15.2 | length 744
  BottomLayer w10: R15.2@9591.26,1744.13 9724.05,1744.13 D9.2@9725.98,1746.06 9660.52,1744.13 ; R15.2@9596.26,1744.13 9646.26,1744.13 ; R15.2@9598.51,1729.3 9646.26,1744.13 ; R15.2@9598.51,1758.96 9646.26,1744.13 ; D9.2@9718.04,1775.44 9660.52,1744.13 ; D9.2@9719.79,1716.27 9660.52,1744.13 ; D9.2@9722.2,1766.14 9660.52,1744.13 ; D9.2@9723.39,1725.8 9660.52,1744.13 ; D9.2@9724.85,1756.43 9660.52,1744.13 ; D9.2@9725.46,1735.64 9660.52,1744.13